# Altium PCB SpaceLiin_Satellite_4U_Laser_Internal_External_V1.0.0.PcbDoc (part 1 of 2)
Units mm, origin at the board's own origin, x right, y up, seen from the top; angles counter-clockwise.
Board outline 82 x 80 mm, 4 copper layers (L1_TOP, L2_GND, L3_SIGNAL, L4_BOT), stack 1.584 mm thick; 227 components, 117 nets, 668 pads, 121 vias.
Unrouted connection lines stored in the file: 204.
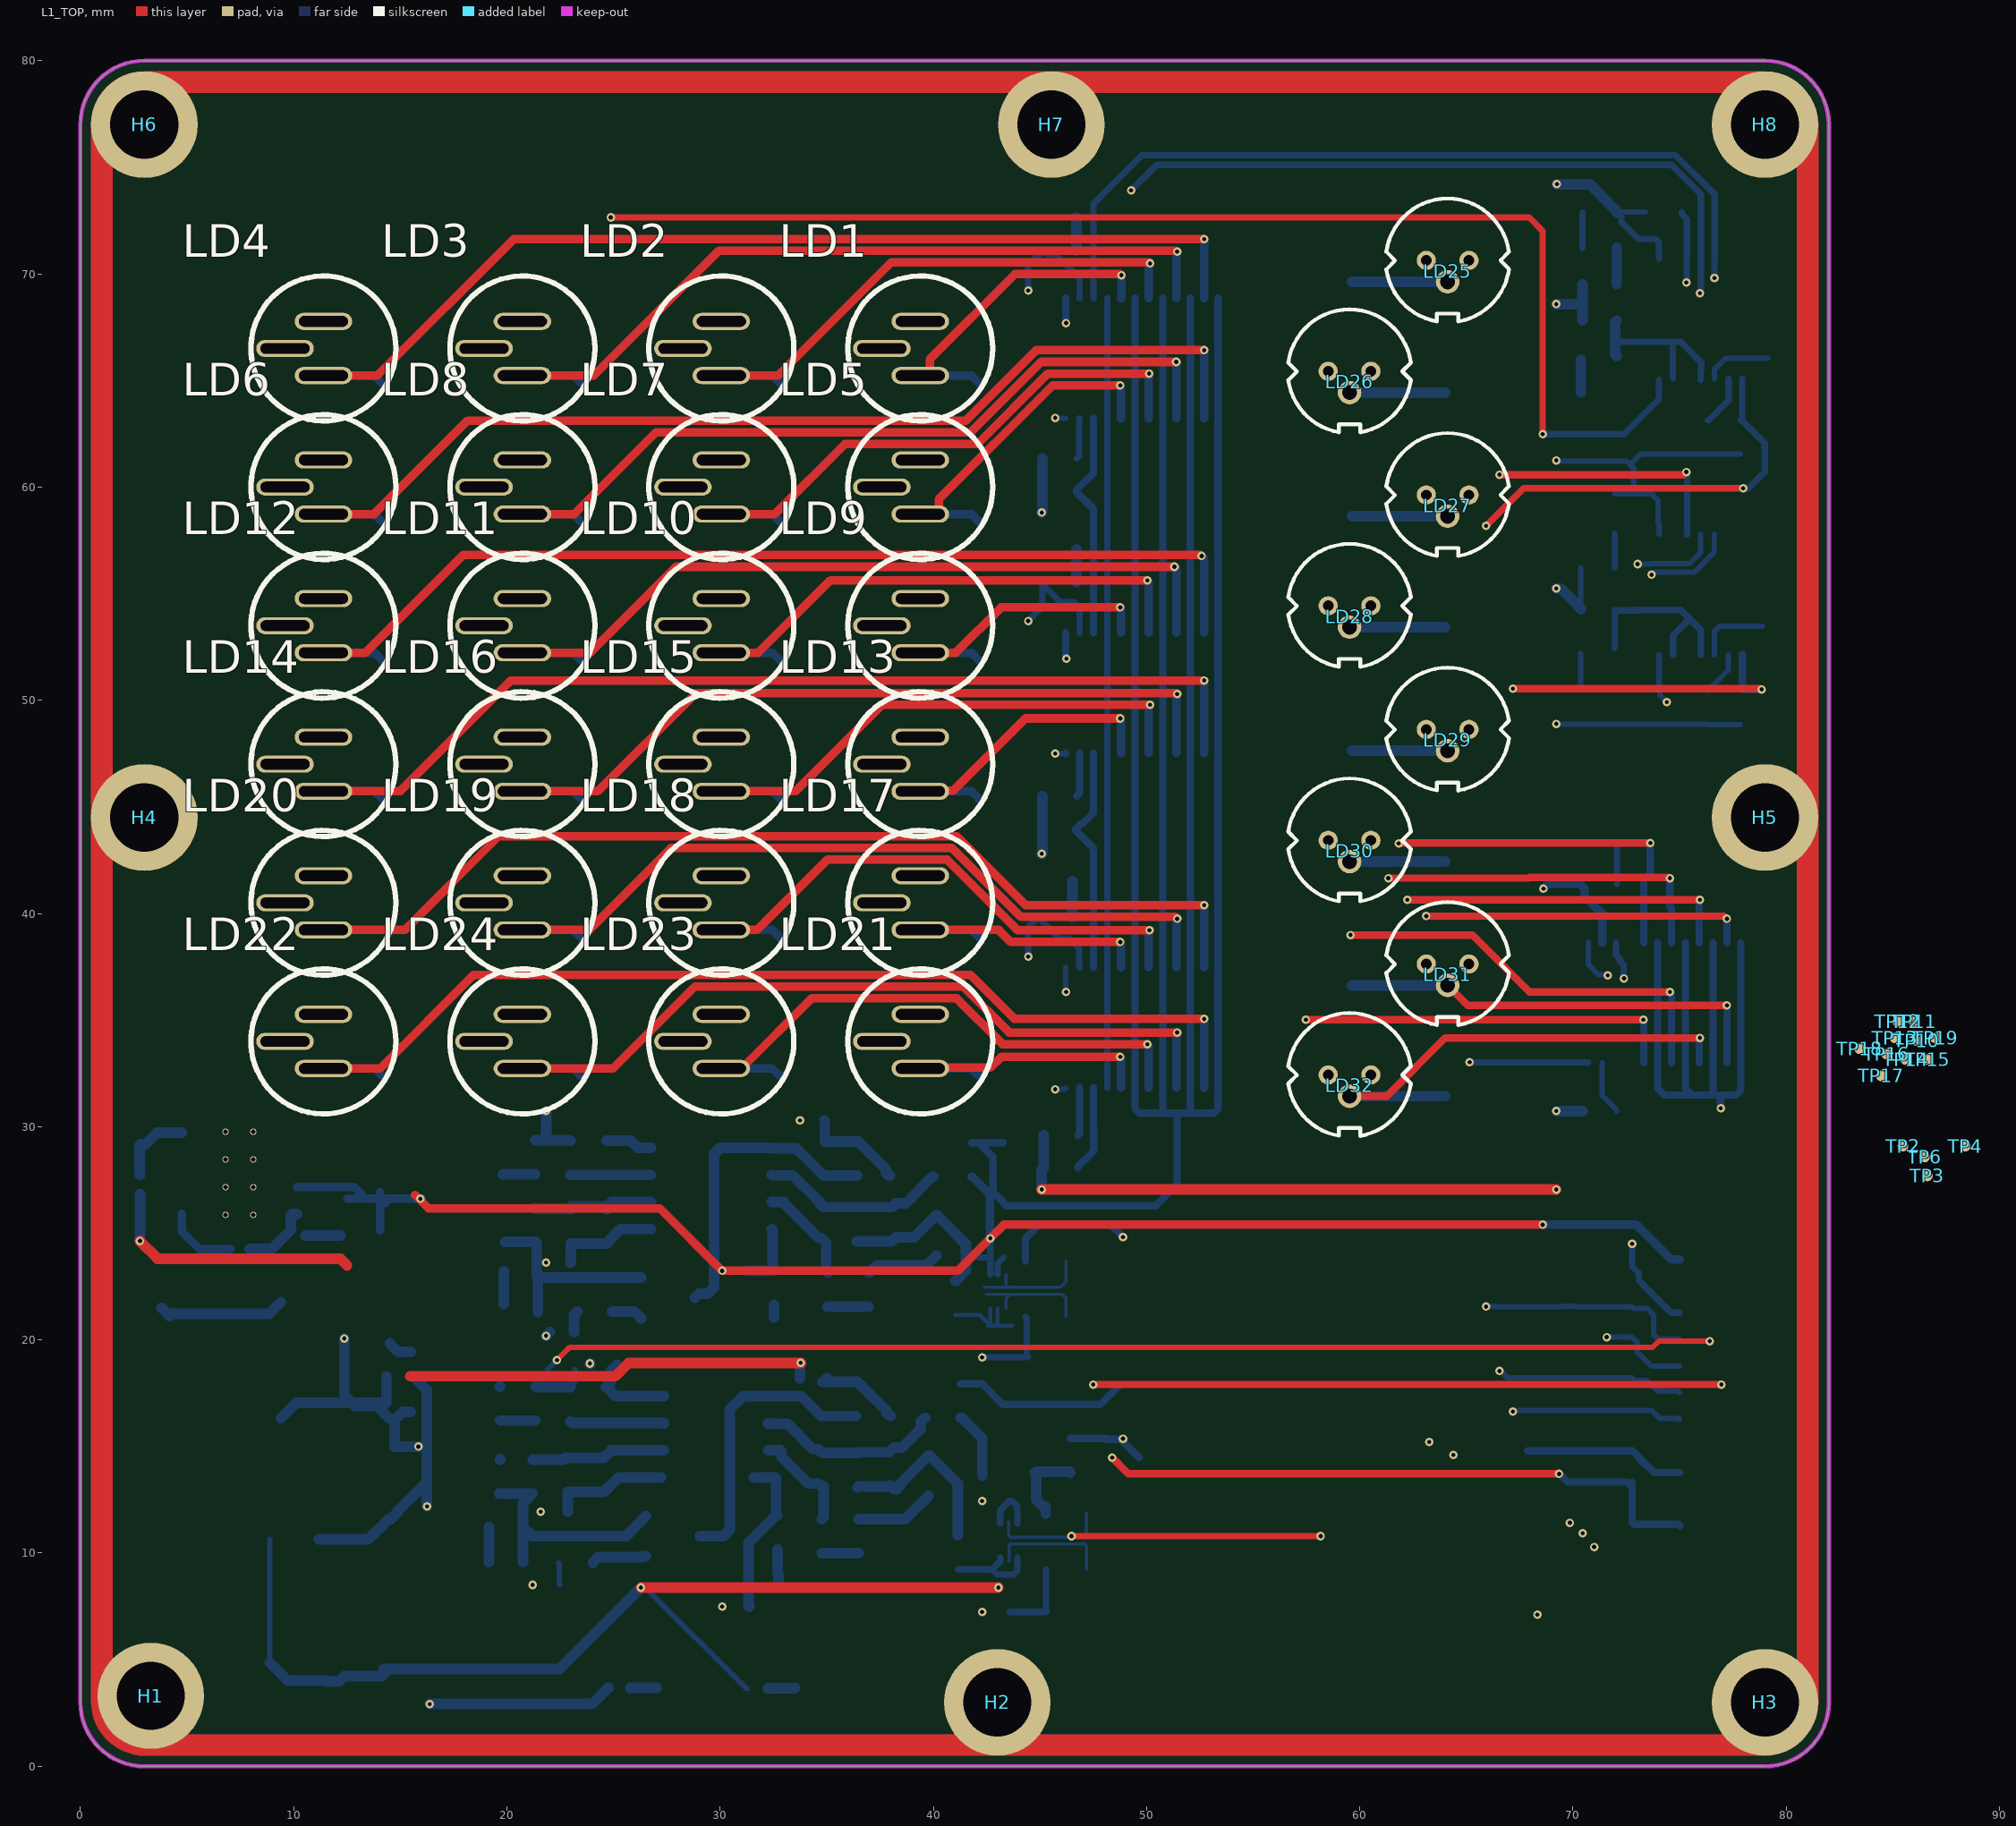
[diagram p0: L1_TOP view]
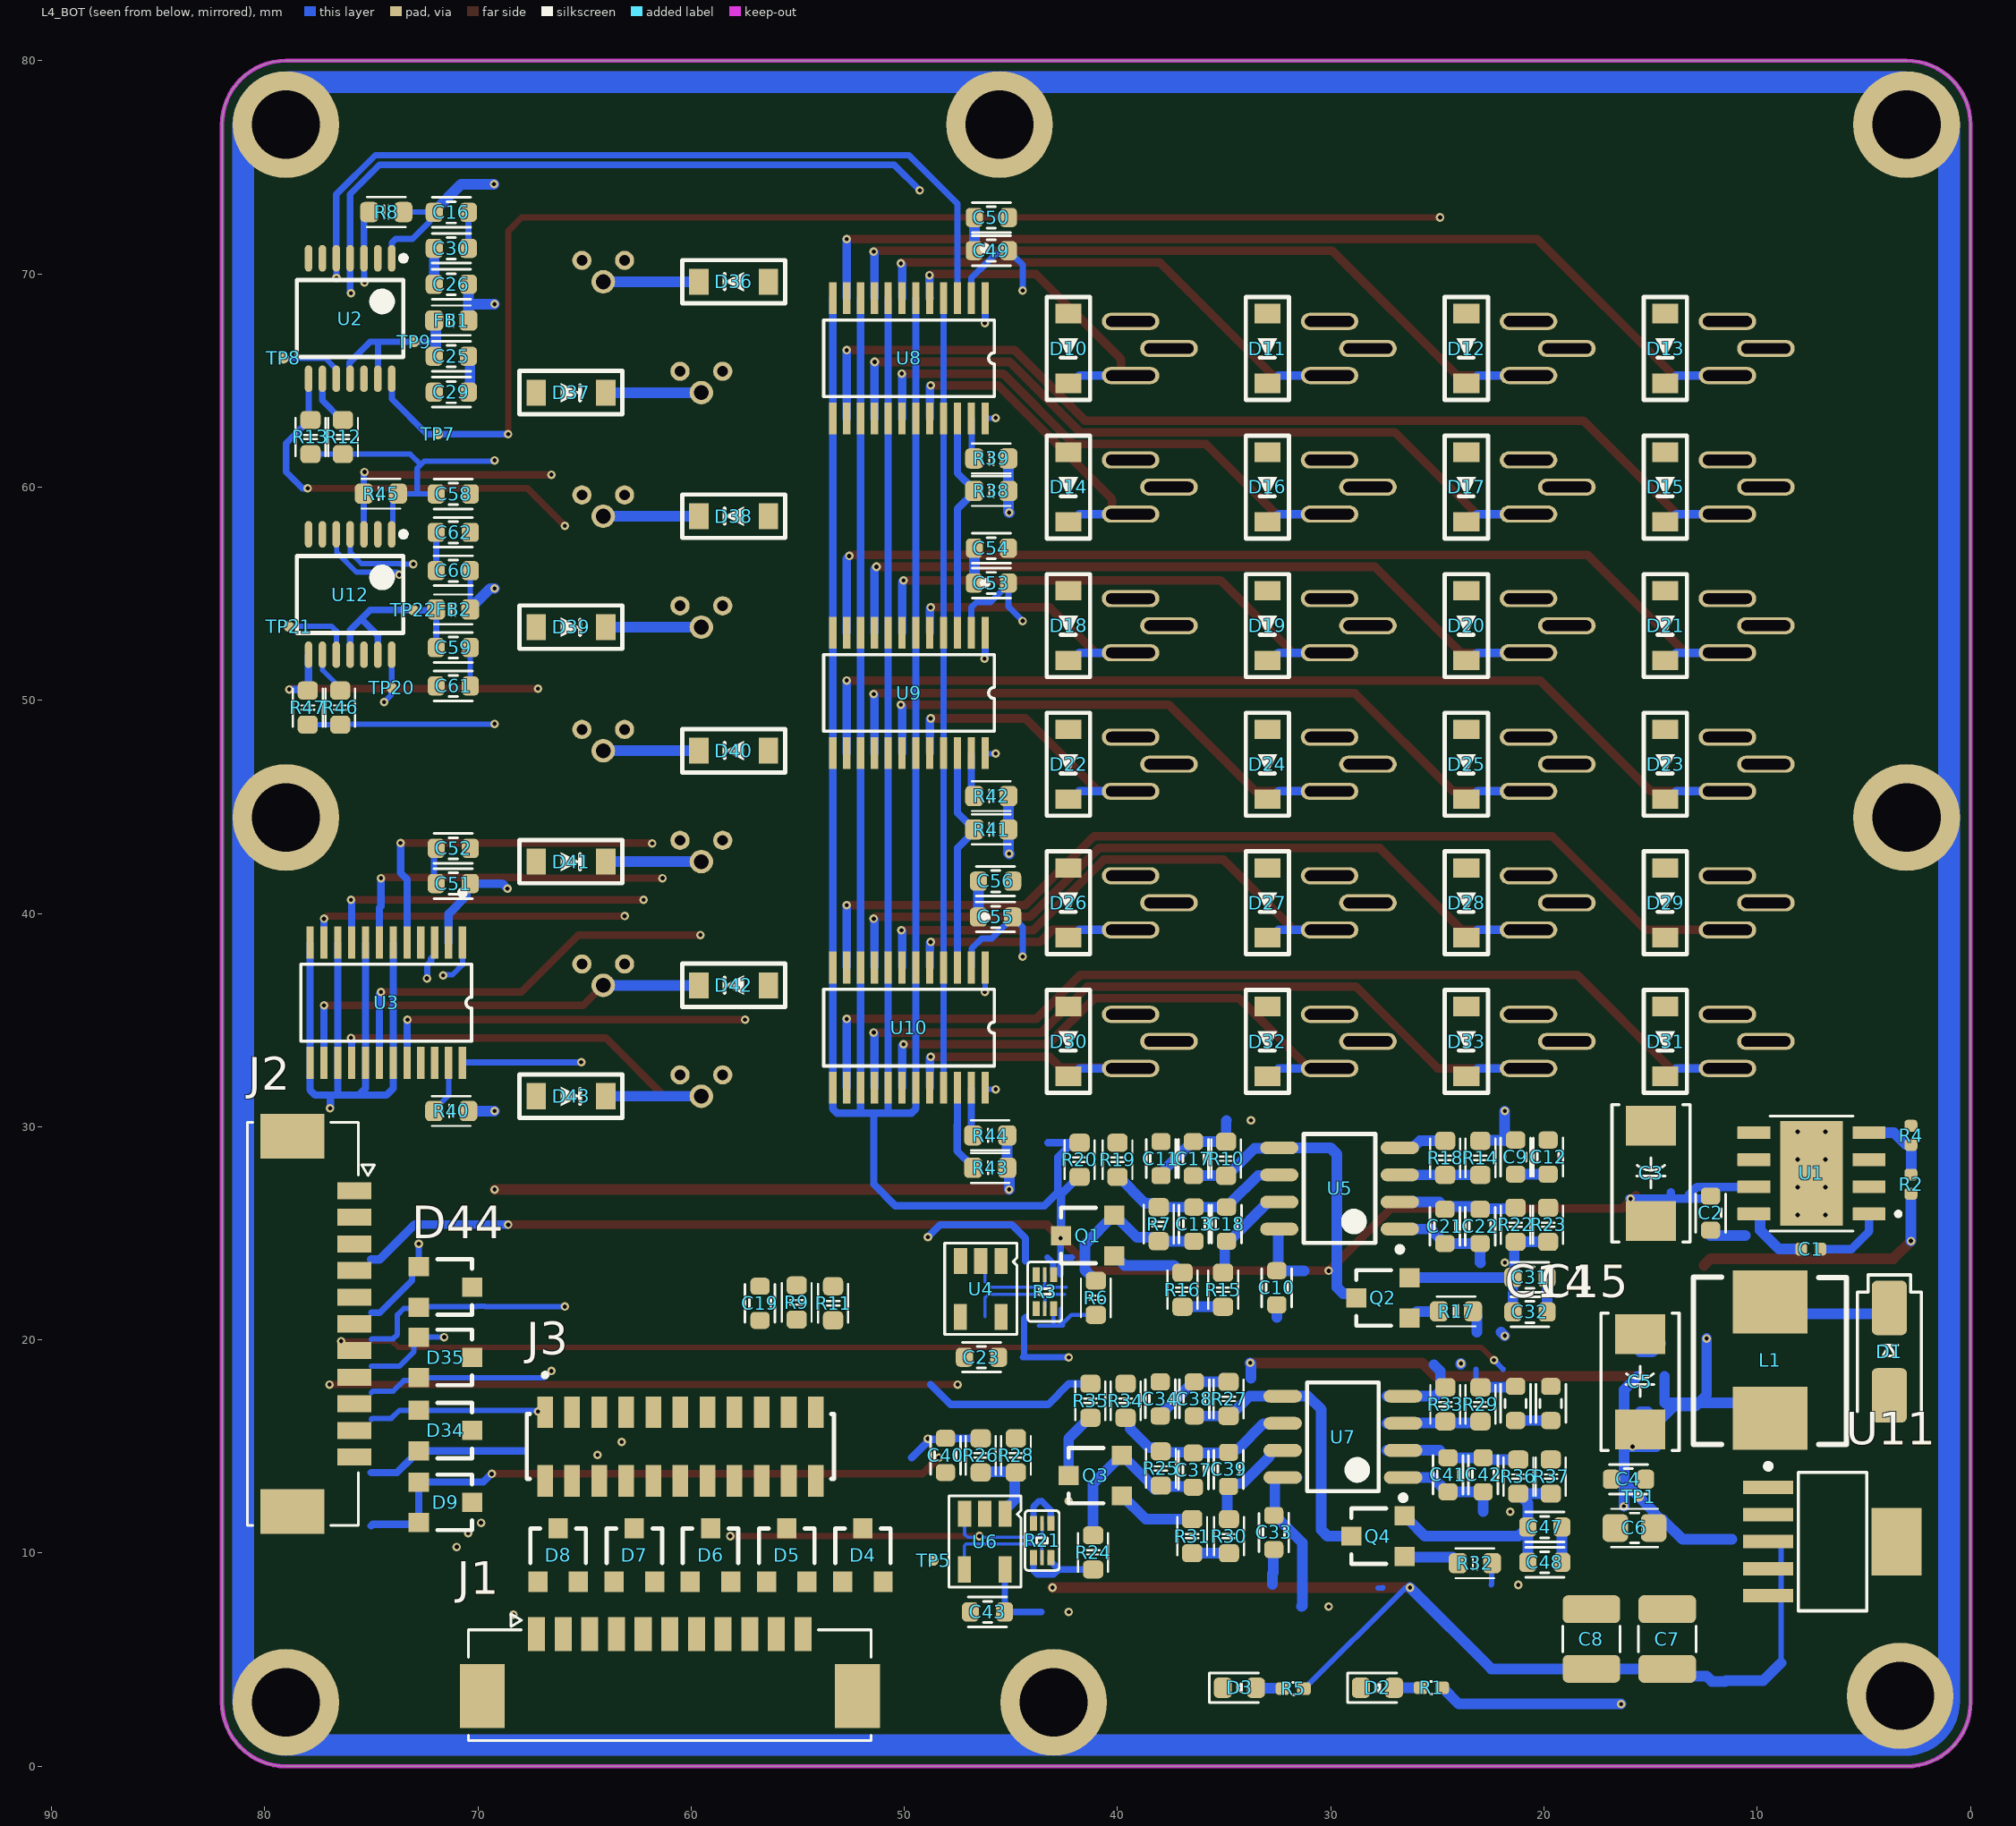
[diagram p1: L4_BOT view, seen from below]
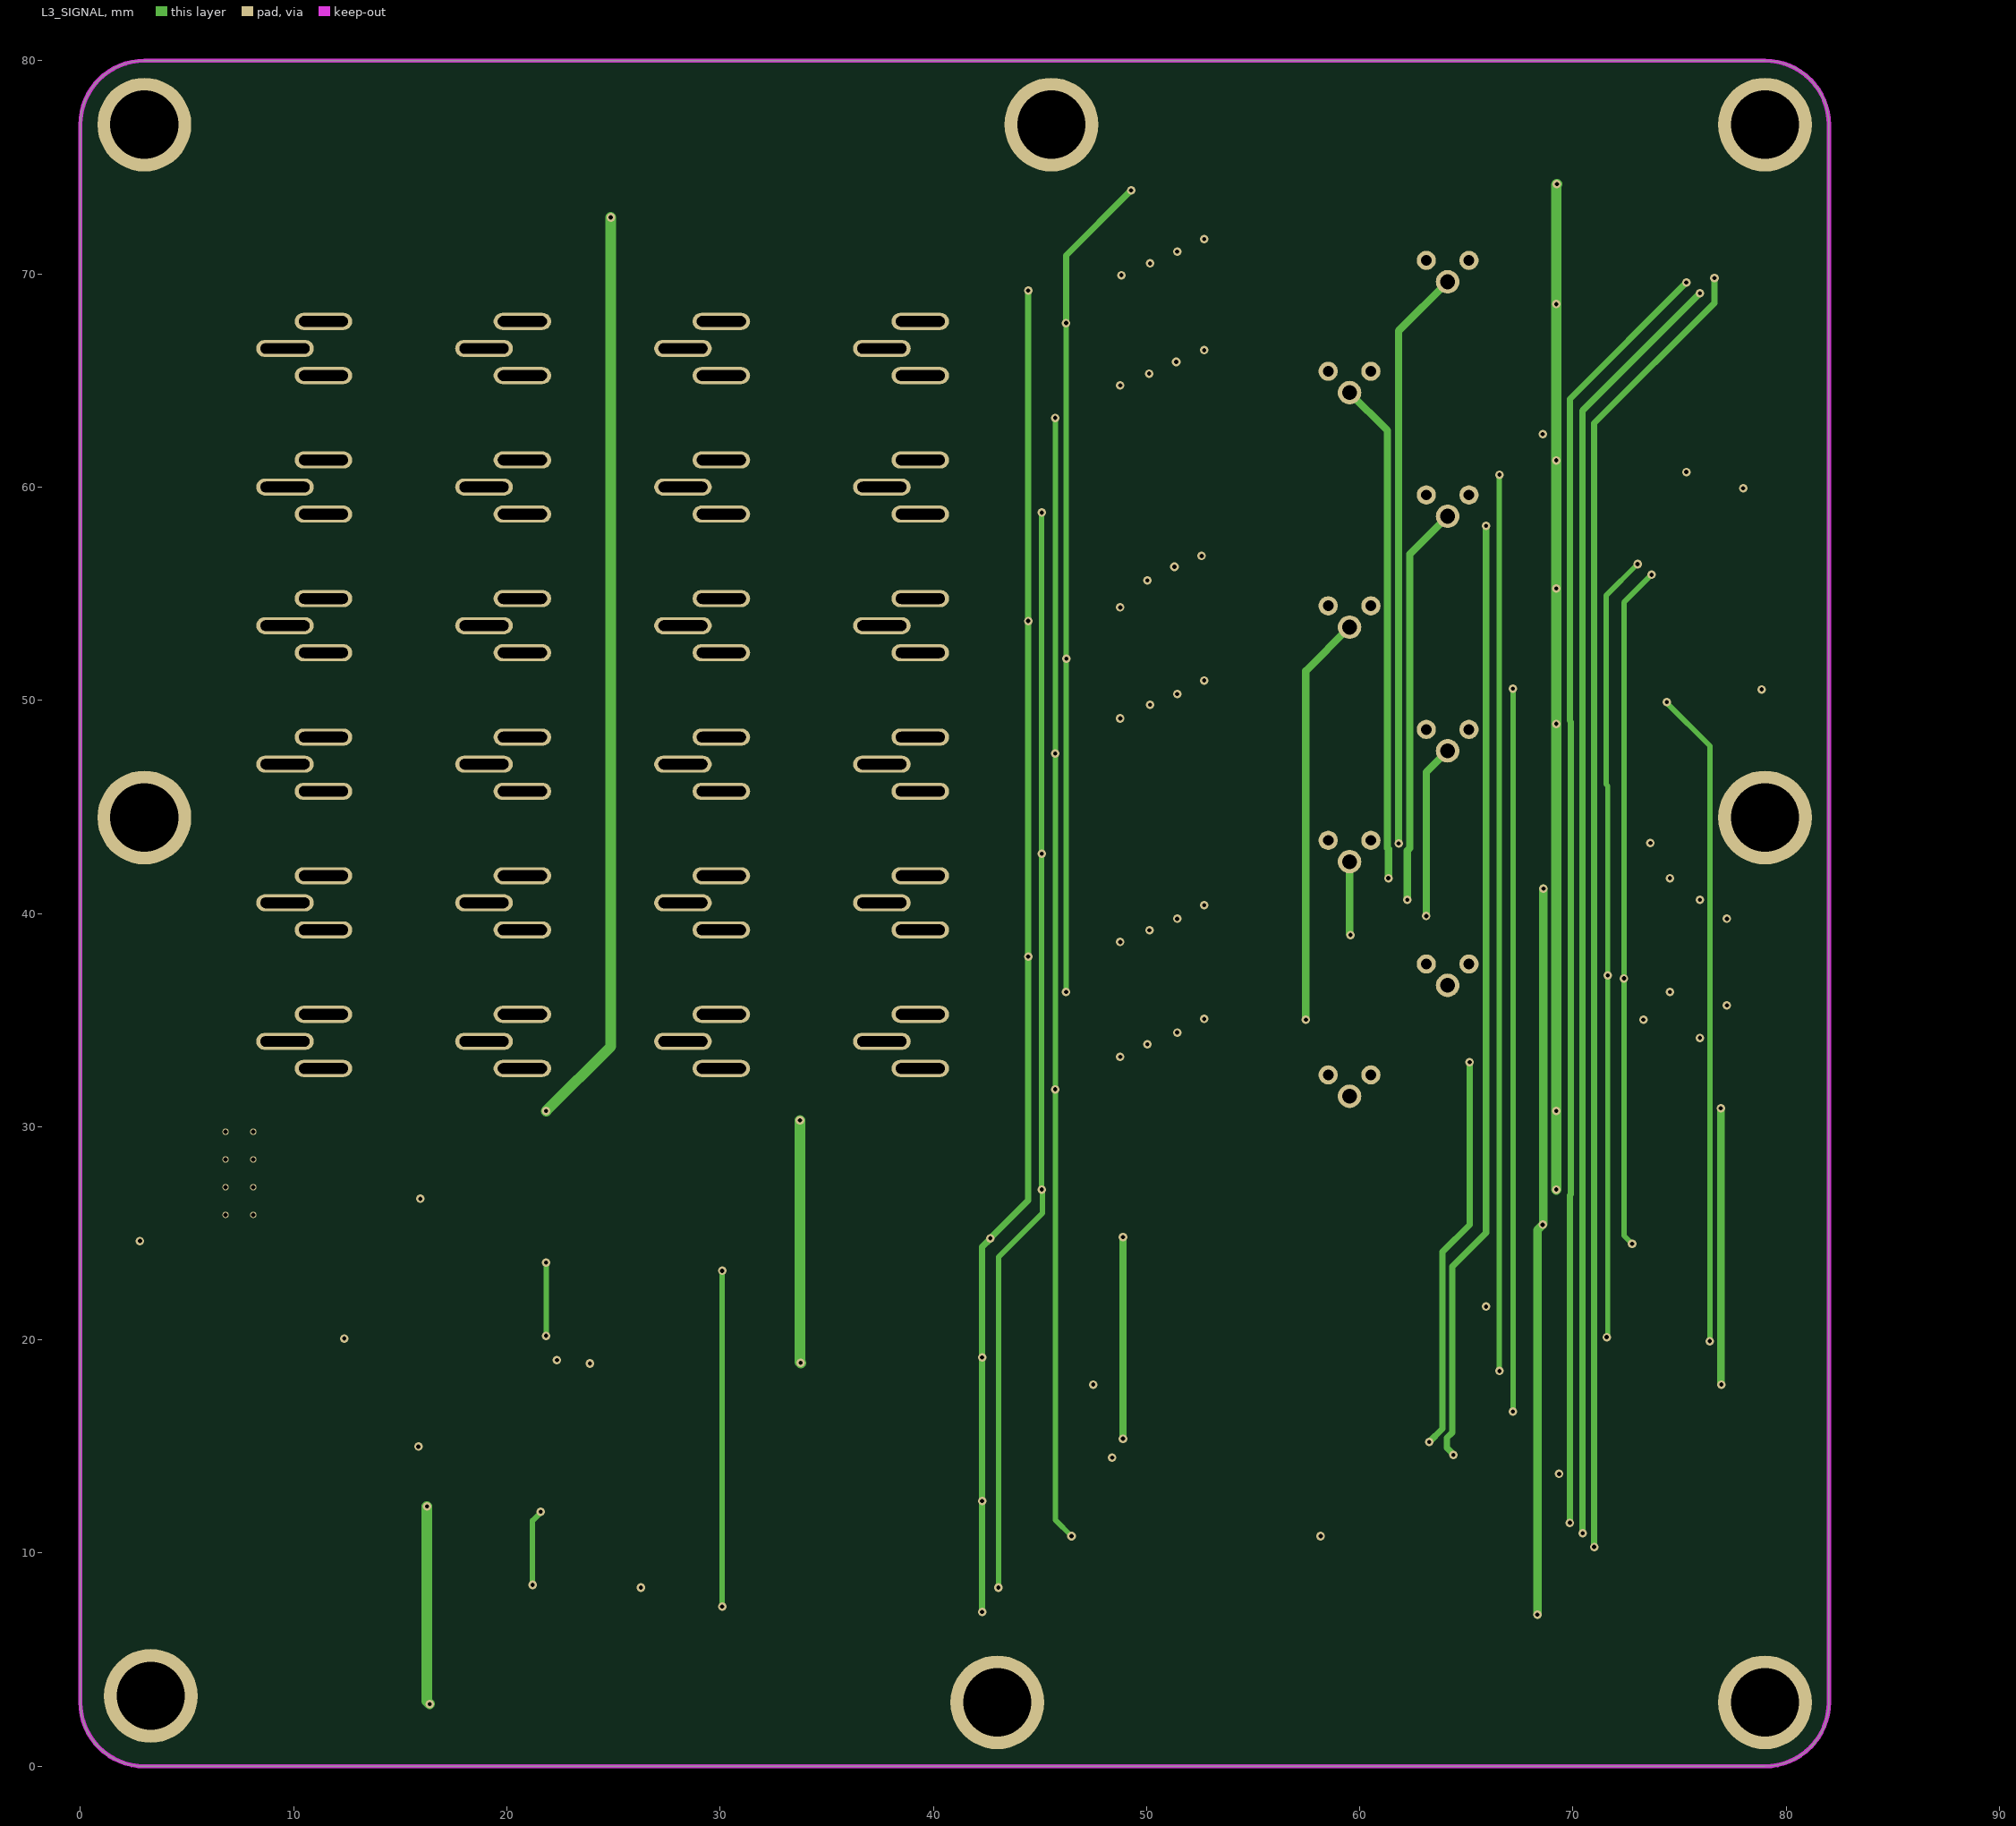
[diagram p2: L3_SIGNAL]
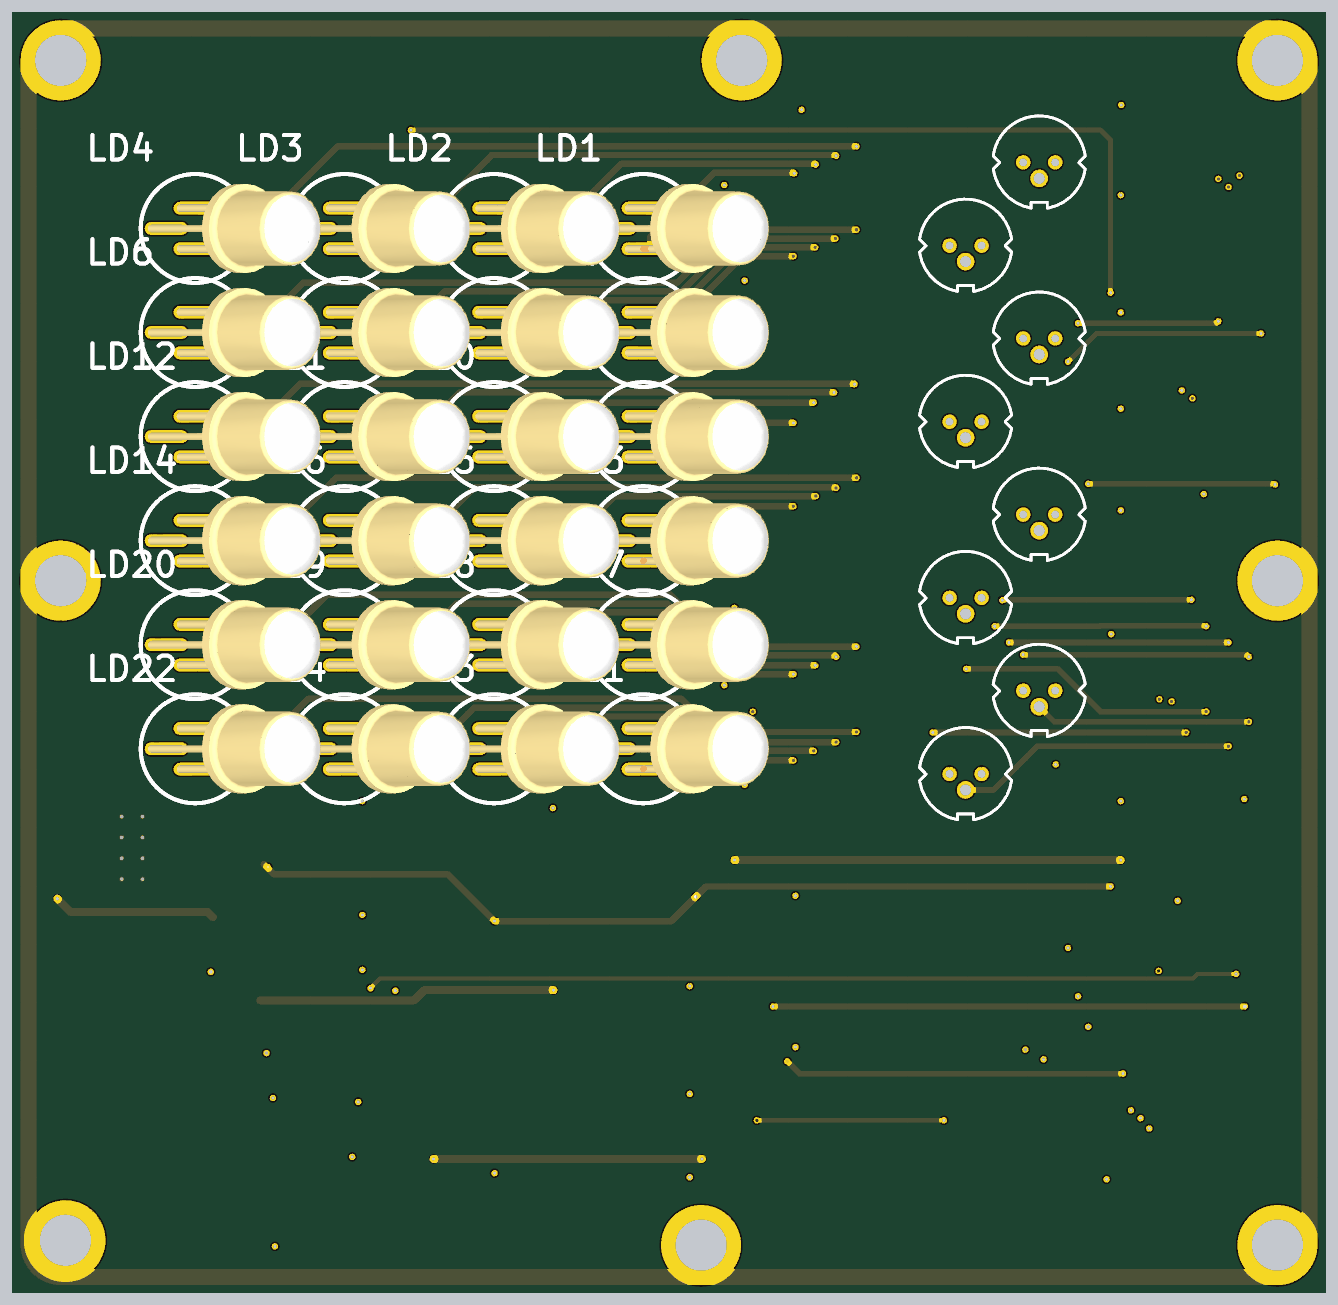
[diagram p4: 3D render of the assembled board from above, using the file's embedded part models]
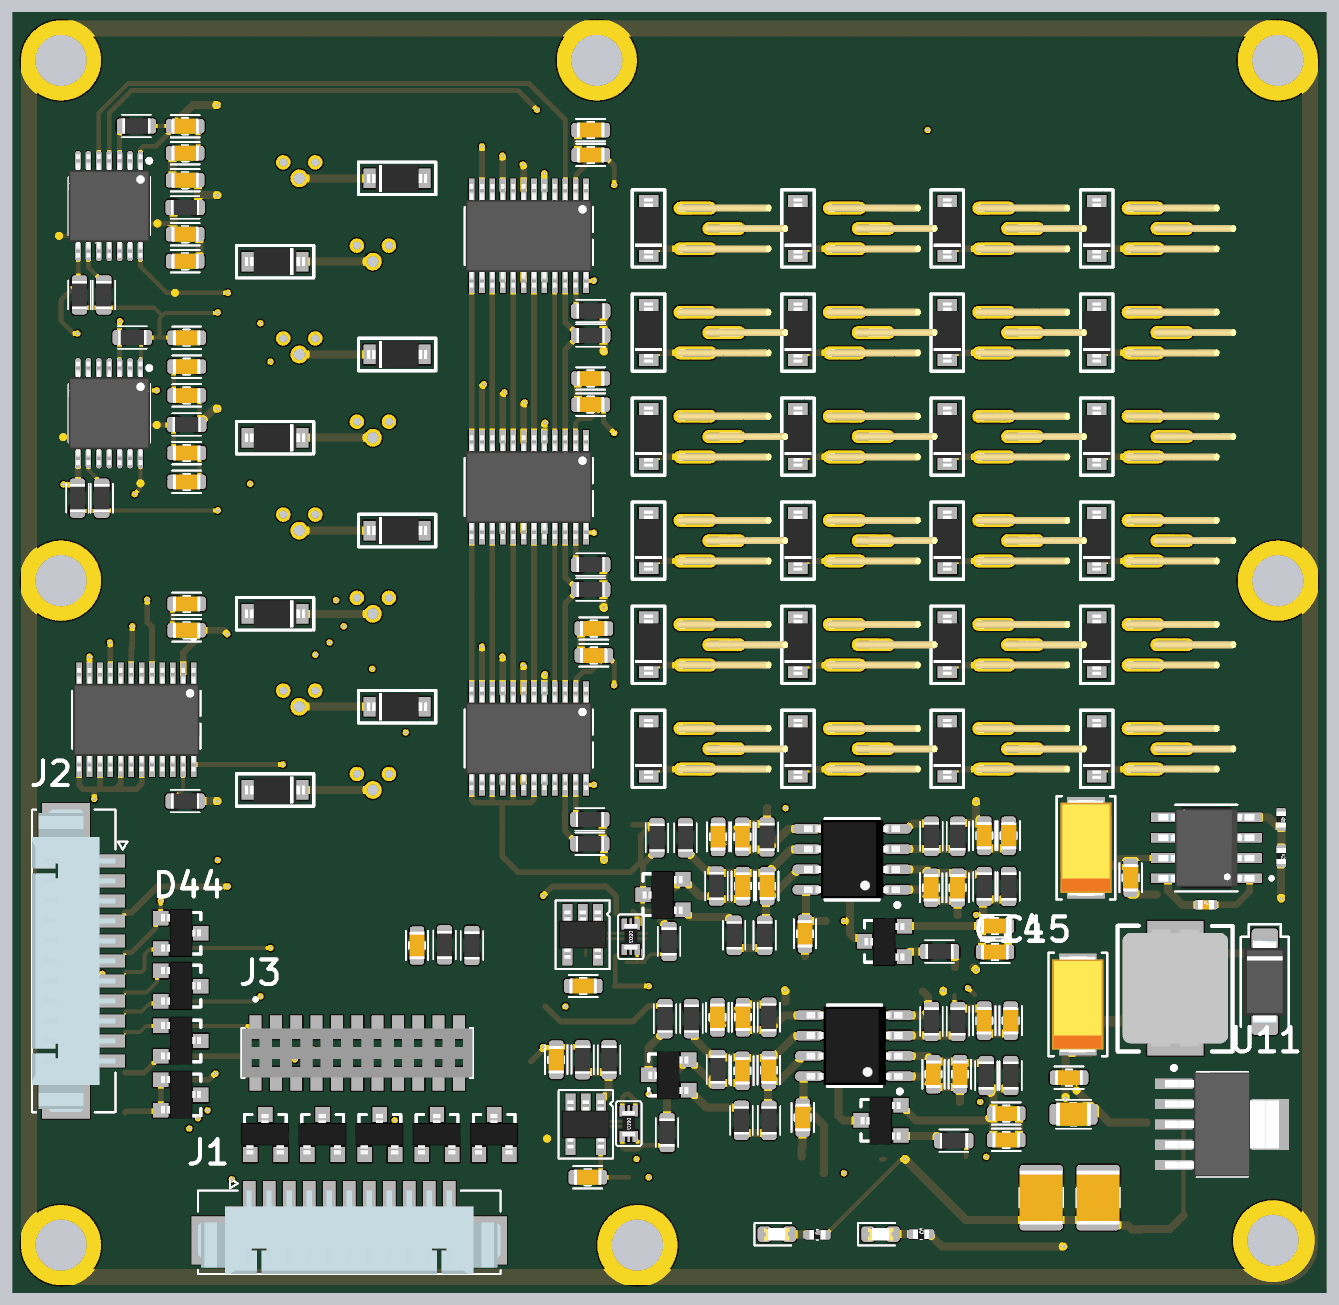
[diagram p5: 3D render of the assembled board from below, using the file's embedded part models]

## Layer stack, top to bottom
Top Solder: solder mask 0.012, Solder Resist, Dk 3.5
L1_TOP: signal copper 0.04
Dielectric 1: prepreg 0.2, FR-4, Dk 4.8
L2_GND: signal copper 0.032
Dielectric 2: core 1.04, FR-4, Dk 4.8
L3_SIGNAL: signal copper 0.032
Dielectric 3: prepreg 0.2, FR-4, Dk 4.8
L4_BOT: signal copper 0.04
Bottom Solder: solder mask 0.012, Solder Resist, Dk 3.5

## Board outline
0,3 0,77 cw(c3,77) 3,80 79,80 cw(c79,77) 82,77 82,3 cw(c79,3) 79,0 3,0 cw(c3,3)
